# Altium PCB shepherd_pcb_v2.2.PcbDoc (part 2 of 3) (continued)
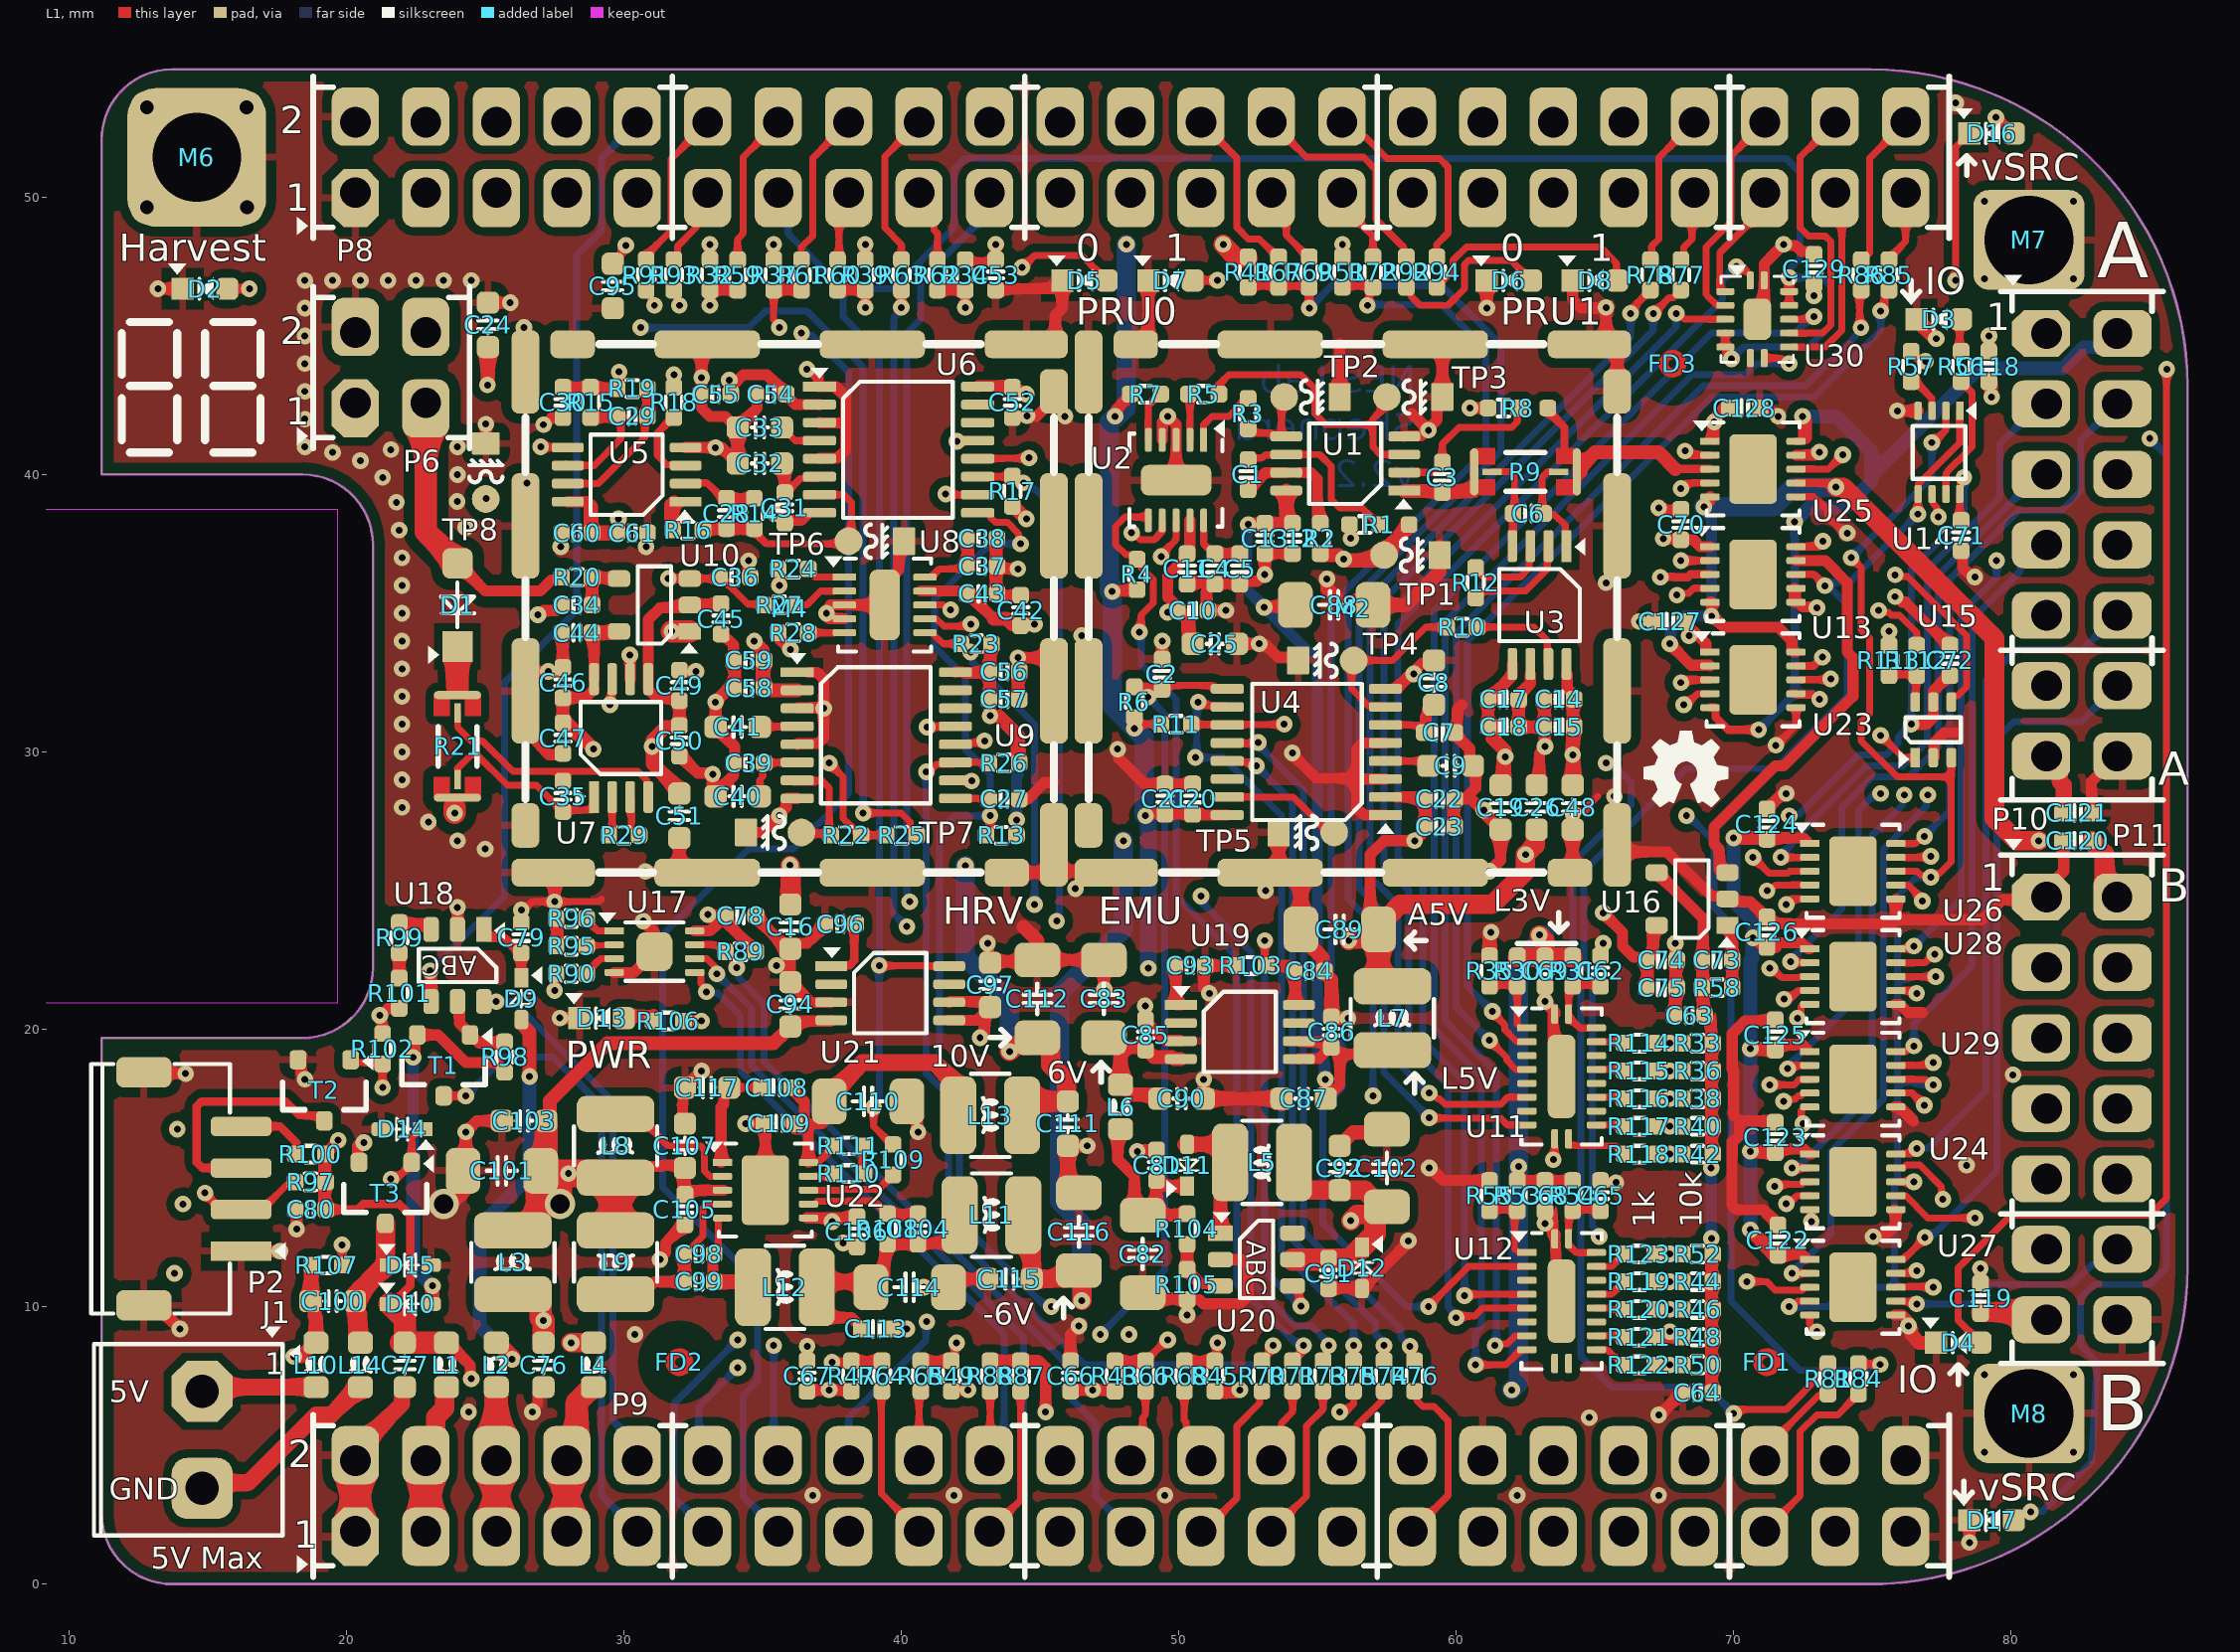
[diagram p0: L1 view]
## Nets (pads, with @x,y where several pads share a name; then routed paths per layer and width w, separated by ;. In a path a pad name is that pad's centre, name@x,y a point inside that pad or via, vN(x,y) a via of type N, cw(c..) or ccw(c..) an arc to the next point about the centre after c; other vN are vias at no path point) (continued)
EEA1_8: R95.2 U17.2 | length 1.1
  L1 w0.2: R95.2@28.6,23 28.625,23.025 29.625,23.025 U17.2@29.65,23.05 U17.2@29.625,23.075
EEA2_8: R90.1 U17.3 | length 1.3
  L1 w0.25: R90.1@28.6,22 29.15,22.55 U17.3@29.65,22.55
EN_Emulator: C2.2 P9.16 R6.2 U4.9 | length 41.3
  L1 w0.25: v1(48.887,31.98) 48.9,31.993 48.9,32.3 ; C2.2@49.4,32.25 49.55,32.4 51.2,32.4 51.325,32.275 U4.9@51.75,32.275
  L1 w0.4: R6.2@48.4,32.3 48.9,32.3 C2.2@49.4,32.3
  L3 w0.25: v1(40.916,9.458) 40.958,9.458 41.3,9.8 42.4,9.8 43.675,8.525 46.689,8.525 47.16,8.996 v1(47.173,8.996)
  L4 w0.25: P9.16@38.1,4.445 38.1,4.845 38.1,6 40.883,8.783 40.883,9.426 v1(40.916,9.458) ; v1(47.173,8.996) 49.5,11.322 49.5,31.367 v1(48.887,31.98)
EN_Power: C84.2 P8.13 R103.2 R109.2 U19.8 U20.4 U21.8 U30.5 U30.6 U30.12 U30.13 | length 122.3
  L1 w0.25: v1(39,17.2) 39,16.5 39.7,15.8 R109.2@39.627,15.873 ; v1(39.2,22.3) 39.212,22.288 41.712,22.288 U21.8@41.725,22.275 ; R103.2@53.1,22.3 v1(53.1,23.2) ; U20.4@54.1,10.75 54.249,10.601 54.333,10.601 54.333,10.092 v1(54.4,10.025) ; U19.8@54.325,20.875 54.425,20.875 U19.8@54.5,20.95 ; U30.5@69.7,45.1 U30.6@69.7,44.6 69.7,44.4 69.9,44.2 69.9,44.157 v1(69.921,44.177) ; U30.12@72,46.2 v1(72,47.1)
  L1 w0.4: R103.2@53.1,22.3 R103.2@53.15,22.3 54.2,22.3 54.2,20.9 54.225,20.875 U19.8@54.325,20.875
  L3 w0.25: v1(39.2,22.3) 44,22.3 44.6,22.9 52.779,22.9 53.079,23.2 v1(53.1,23.2)
  L4 w0.25: P8.13@35.56,50.165 35.914,49.811 35.914,48.686 37.9,46.7 ; v1(39,17.2) 39,17.295 39.2,17.495 v1(39.2,22.3) 39.2,44.4 37.9,45.7 37.9,46.7 ; v1(53.1,23.2) 53.1,11.3 53.909,10.491 53.911,10.491 54.377,10.025 v1(54.4,10.025) ; v1(69.921,44.177) 70.343,44.6 72.7,44.6 73.5,45.4 73.5,46.8 73.2,47.1 v1(72,47.1) ; v1@72.067,47.167 72.067,47.462 72.4,47.795 72.4,50.9 71.9,51.4 42.3,51.4 41.9,51 41.9,48.9 39.7,46.7 37.9,46.7
EN_Recorder: C27.2 P9.14 R13.2 U6.9 U9.9 | length 53.3
  L1 w0.25: U9.9@41.95,28.325 42.775,28.325 42.8,28.3 43.1,28.3 43.2,28.2 v1(43.2,27.7) R13.2@43.2,27.1 ; U6.9@42.75,38.625 43.175,38.625 43.225,38.575 43.225,38.446 43.396,38.275 43.825,38.275 44.233,37.867 44.233,37.567 v1(44.3,37.5)
  L3 w0.25: v1(35.4,8.6) 36.9,10.1 41.034,10.1 41.234,10.3 42.6,10.3 42.9,10 v1(45.4,10)
  L4 w0.25: v1(35.4,8.6) 35.4,4.605 P9.14@35.56,4.445 ; v1(44.3,37.5) 43.2,37.5 41.2,35.5 41.2,33.8 42.3,32.7 42.3,30.1 43.2,29.2 v1(43.2,27.7) 41.929,27.7 41.38,27.151 41.38,18.52 42.1,17.8 42.1,13.1 45.2,10 v1(45.4,10)
GND: C2.1 C4.2 C5.1 C7.1 C8.1 C9.1 C10.1 C11.1 C12.1 C13.1 C14.1 C15.1 C16.1 C17.1 C18.1 C19.1 C20.1 C21.1 C22.1 C23.1 C24.1 C25.1 C26.1 C27.1 C30.2 C31.1 C32.1 C33.1 C36.1 C37.1 C38.1 C39.1 C40.1 C41.1 C42.1 C43.1 C44.1 C45.1 C46.1 C47.1 C48.1 C49.1 C50.1 C51.1 C52.1 C53.1 C54.1 C55.1 C56.1 C57.1 C58.1 C59.1 C60.1 C61.1 C62.1 C63.1 C64.1 C65.1 C66.1 C67.1 C68.1 C69.1 C70.1 C71.1 C72.1 C74.1 C75.1 C76.1 C77.1 C78.1 C79.1 C80.1 C81.1 C82.1 C83.1 C84.1 C85.1 C86.1 C87.1 C88.1 C89.1 C90.1 C91.1 C92.1 C93.1 C94.1 C95.1 C96.1 C97.1 C101.1 C102.1 C103.1 C105.1 C106.2 C107.1 C109.1 C110.1 C111.1 C112.1 C113.1 C114.1 C115.1 C116.1 C117.1 C118.1 C119.1 C120.1 C121.1 C122.1 C123.1 C124.1 C125.1 C126.1 C127.1 C128.1 C129.2 D2.1 D3.1 D4.1 D5.1 D6.1 D7.1 D8.1 D12.2 D13.1 D14.2 D15.2 D17.1 M2.1 M4.1 M6.1 M7.1 M8.1 P2.1 P2.5 P6.2 P8.1 P8.2 P9.1 P9.2 P9.34 P9.43 P9.44 P9.45 P9.46 P10.1 P10.14 P11.1 P11.14 R35.2 R55.2 R95.1 R96.1 R101.1 R102.1 R103.1 R105.1 T2.2 T3.2 TP1.2 TP2.2 TP3.2 TP4.2 TP5.2 TP6.2 TP7.2 TP8.2 U1.4 U2.3 U2.4 U2.11 U3.6 U4.1 U4.3 U4.5 U4.8 U5.4 U6.1 U6.3 U6.5 U6.8 U7.6 U8.3 U8.4 U8.11 U9.1 U9.3 U9.5 U9.8 U11.1 U11.21 U12.1 U12.21 U13.6 U13.7 U14.4 U15.2 U16.2 U17.4 U17.9 U18.2 U19.3 U20.2 U21.3 U22.11 U23.6 U24.6 U25.6 U26.6 U27.6 U28.6 U29.6 U30.7 | length 340.8
  L1 w0.25: v1(26.3,24.3) 26.395,24.3 26.695,24.6 v1(27.5,24.6) ; v1@27.525,24.575 v1(27.5,24.6) ; 29.2,24.7 29.1,24.6 v1(27.5,24.6) ; v1(64.2,27.8) 64.267,27.867 64.654,27.867 64.8,28.013 64.8,28.1 65.1,28.4 ; v1(71.525,30.238) 72.25,30.963 U23.6@72.25,31.6 ; U25.6@72.25,39.2 72.9,39.2 73.4,38.7 73.4,38.445 73.546,38.298 73.592,38.298 73.998,37.892 v1(74.093,37.892)
  L1 w0.4: P2.5@12.7,10.05 13.15,10.05 v1(14,9.2) ; P2.5@12.7,18.45 12.725,18.425 14.175,18.425 v1(14.2,18.4) ; v2(12.805,49.635) M6.1@14.605,51.435 ; v2(12.805,53.235) 12.865,53.235 14.605,51.495 M6.1@14.605,51.435 ; v1(13.2,46.7) D2.1@14.1,46.7 ; P2.1@16.2,12 v1(17.6,12) ; v2(16.405,53.235) M6.1@14.605,51.435 ; v2(16.41,49.635) 16.405,49.635 M6.1@14.605,51.435 ; v1(18.2,12.8) C80.1@18.2,13.5 ; T2.2@18.4,19.054 18.396,19.05 18.35,19.05 18.25,18.95 T2.2@18.25,18.9 18.35,18.8 18.35,18.45 18.462,18.338 18.462,18.238 v1(18.5,18.2) ; T3.2@20.45,15.2 20.4,15.25 20.4,15.8 20.519,15.919 v1(20.626,15.919) ; D14.2@21.2,16.45 D14.2@21.25,16.4 ; R102.1@21.3,19.8 21.3,20.2 21.235,20.265 21.235,20.465 v1(21.196,20.504) 21.251,20.504 21.497,20.75 21.85,20.75 R101.1@21.9,20.8 ; U18.2@24,23.6 v1(24,24.4) ; C101.1@24.2,14.9 24.2,15.161 24.3,15.261 v1(24.3,16.3) 24.7,16.7 C103.1@25.6,16.7 ; TP8.2@25.021,41.121 v1(25.021,41.821) ; C24.1@25.1,46.2 v1(25.9,46.2) ; C79.1@26.3,23.8 C79.1@26.3,23.85 v1(26.3,24.3) ; v1(26.7,6.2) 26.7,6.3 26.9,6.5 26.9,6.9 C76.1@27.1,7.1 ; v1(27.1,41.8) 27.154,41.8 27.404,42.05 27.75,42.05 C30.2@27.8,42.1 ; M4.1@27.45,25.65 27.5,25.6 v1(27.5,24.6) ; v1@27.525,24.575 27.525,24.075 27.6,24 R95.1@27.6,23 ; v1(27.693,20.407) 27.7,20.4 D13.1@28.4,20.4 ; v1(27.725,37.4) v1@27.762,37.362 ; C47.1@27.8,29.9 27.3,29.9 27,30.2 27,30.223 26.45,30.773 M4.1@26.45,32.2 26.45,32.604 26.746,32.9 v1(27.273,32.9) 27.8,32.9 C44.1@27.8,34.3 ; v1@27.8,37.4 C60.1@27.8,37.9 ; U17.4@29.65,22.05 30.35,22.05 U17.9@31.1,22.8 31.1,23.5 v1(30.7,23.9) ; v1(30.217,33.494) 30.221,33.49 30.221,32.629 U7.6@30.225,32.625 ; v1(30.774,25.694) 30.817,25.65 M4.1@32.296,25.65 ; v1(30.8,37.4) C61.1@30.8,37.9 ; v1(31.3,11.7) 31.3,11.754 31.5,11.954 31.5,12.3 32.05,12.85 32.1,12.85 C105.1@32.2,12.95 C105.1@32.2,13 ; C51.1@32,26.9 32,25.946 M4.1@32.296,25.65 ; C50.1@32,29.9 32.662,29.238 33.162,29.238 v1(33.2,29.2) 33.2,28.5 C40.1@33.3,28.4 ; C49.1@32,32.9 v1(32.6,32.9) ; C107.1@32.1,16.6 C107.1@32.107,16.607 ; 32.1,17.273 32.131,17.303 C117.1@32.131,17.931 ; C107.1@32.107,16.707 32.107,17.259 32.115,17.267 ; C117.1@32.2,17.9 v1(32.8,18.5) ; U5.4@32.225,40.975 v1(33.3,40.975) 33.525,40.975 C32.1@34.1,40.4 C33.1@34.1,41.7 ; M4.1@33,25.65 M4.1@32.296,25.65 ; M4.1@33,44.7 32.8,44.5 v1(32.8,43.5) 32.8,42.9 32.8,42.4 33.1,42.1 33.659,42.1 34.059,41.7 C33.1@34.1,41.7 ; C40.1@33.5,28.7 33.962,29.162 33.962,29.562 34,29.6 34,30.2 C41.1@33.3,30.9 33.3,31.7 v1(33.3,31.8) 33.3,31.816 33.734,32.25 33.95,32.25 34,32.3 C59.1@34,33.3 ; C45.1@33.5,34.3 33.95,33.85 33.95,33.35 C59.1@34,33.3 ; C59.1@34.05,33.35 C59.1@34,33.3 ; v1@34.387,16.6 C109.1@35.05,16.6 ; TP7.2@34.4,27.1 35,27.1 v1(35.6,27.7) 35.6,27.754 35.85,28.004 35.85,28.3 35.875,28.325 U9.8@36.21,28.325 ; v1(34.493,36.893) 34.497,36.89 34.497,36.303 C36.1@34.5,36.3 ; C78.1@34.7,24.1 35.7,23.1 35.8,23.1 C16.1@36,22.9 ; C54.1@34.8,42.9 34.8,42.4 C33.1@34.1,41.7 ; U22.11@35.1,14.2 C109.1@35.1,16.55 ; v1(35.424,38.6) 35.45,38.6 35.75,38.3 35.8,38.3 35.85,38.35 36.4,38.35 U6.8@36.65,38.6 ; v1(35.5,22.3) 36,22.3 ; U9.8@36.2,28.315 U9.8@36.21,28.325 ; U9.8@36.25,28.325 U9.8@36.21,28.325 ; U9.5@36.25,30.275 36.275,30.3 37,30.3 37.2,30.5 v1(37.2,31.569) 37.2,32.638 36.966,32.873 U9.1@36.65,32.873 ; U9.3@36.25,31.575 36.275,31.6 v1@37.1,31.6 ; C67.1@36.6,8 36.6,8.572 v1(36.602,8.575) ; v1(36.6,43.8) 36.7,43.8 37,43.5 37,43.185 37.01,43.175 U6.1@37.05,43.175 37.06,43.165 37.639,43.165 38,42.804 38,41.852 ; U6.5@37.05,40.575 37.06,40.585 37.685,40.585 38,40.9 38,41.852 ; U6.3@37.05,41.875 37.06,41.865 37.987,41.865 38,41.852 ; C96.1@37.3,23.8 36.6,23.1 36.2,23.1 C16.1@36,22.9 ; v1(37.3,35) 37.3,34.9 37.4,34.8 U8.4@37.95,34.8 ; 37.434,35.3 U8.3@37.95,35.3 U8.11@39.4,35.3 39.4,36.066 39.9,36.566 39.9,37.4 TP6.2@40.1,37.6 ; U21.3@37.475,20.975 36.725,20.975 C94.1@36,21.7 36,22.3 ; v1(37.9,12.3) 37.95,12.25 38.35,12.25 C106.2@38.4,12.2 ; C113.1@39.6,9.2 v1@40.199,9.2 ; C110.1@40.2,17.4 40.556,17.044 40.556,16.399 40.6,16.354 v1(40.6,16.3) ; v1(40.8,10.7) C114.1@41.7,10.7 ; C114.1@41.8,10.7 C114.1@42.125,11.025 ; C114.1@42.193,11.038 42.231,11 C115.1@43.1,11 ; v1(43.106,23.1) 43.145,23.062 43.145,22.6 43.106,22.562 43.038,22.562 C97.1@43.2,22.4 43.25,22.45 44.85,22.45 C112.1@44.9,22.5 C83.1@47.3,22.5 47.3,21.452 v1(47.317,21.435) ; C53.1@43.35,46.65 43.4,46.7 45.5,46.7 D5.1@45.8,47 45.8,46 45.55,45.75 45.55,44.996 45.254,44.7 M4.1@44.5,44.7 ; C37.1@43.4,36.6 v1(44.2,36.6) ; C38.1@43.4,37.6 43.4,35.6 C42.1@44.25,35.6 ; M4.1@43.8,25.65 45.204,25.65 45.5,25.946 M4.1@45.5,25.996 ; C52.1@44,42.1 44.513,42.1 v1(44.531,42.118) ; C27.1@44.2,28.3 C27.1@44.25,28.3 44.561,28.3 45.161,28.9 45.5,28.9 ; C57.1@44.2,31.9 44.2,32.9 v1(44.2,33.4) 45.204,33.4 45.5,33.104 M4.1@45.5,32.2 ; v1@44.531,42.1 44.873,42.1 45.5,42.727 M4.1@45.5,43.1 ; M4.1@45.383,38.058 M4.1@45.5,38.175 ; M4.1@45.5,27.623 M4.1@45.5,26.65 M4.1@45.5,25.996 ; C66.1@46.1,7.9 46.1,9 v1(46.4,9.3) ; C116.1@46.2,14.1 46.37,14.1 C116.1@46.4,14.1 C116.1@46.7,14.4 ; M2.1@47.75,25.65 47.7,25.7 45.796,25.7 M4.1@45.5,25.996 ; v1(47.8,30.1) 47.838,30.062 47.838,29.762 48.75,28.85 49.4,28.85 49.45,28.8 49.5,28.8 C20.1@50.5,28.8 ; M2.1@48.35,44.7 48.604,44.7 48.9,44.996 D7.1@48.9,47 ; C82.1@48.6,10.6 48.9,10.3 R105.1@50.3,10.3 ; v1(48.789,20.842) 48.8,20.831 48.8,20.3 49.2,19.9 49.5,19.6 50.05,19.6 U19.3@50.075,19.575 ; C2.1@49.4,33.3 v1(49.4,34) ; U2.4@49.4,41.25 49.4,41.9 v1(49.6,42.1) 49.9,41.8 U2.3@49.9,41.25 U2.11@49.9,39.8 ; v1(50.3,9.7) R105.1@50.3,10.3 ; C11.1@50.3,36.1 50.35,36.15 52.823,36.15 53.073,36.4 v1(53.1,36.4) C13.1@53.1,37.1 ; C90.1@50.8,17.6 C90.1@50.9,17.6 ; C90.1@50.9,17.5 C90.1@50.9,17.6 ; v1(50.9,18.2) C90.1@50.9,17.6 ; C90.1@51,17.494 51,17.5 C90.1@50.9,17.6 ; v1(51.1,21.3) 50.9,21.5 50.9,22.3 R103.1@52.1,22.3 ; C4.2@51.3,36.1 51,35.8 51,35.1 v1(51.7,35.1) ; U20.2@51.5,11.7 52.266,11.7 52.5,11.466 52.5,10.4 52.2,10.1 50.9,10.1 50.75,10.25 50.35,10.25 R105.1@50.3,10.3 ; C25.1@52.1,33.9 v1(52.9,33.9) 52.938,33.862 53.138,33.862 53.584,33.416 54.216,33.416 TP4.2@54.3,33.5 ; C13.1@53.1,37.2 C12.1@54.1,37.2 ; M2.1@53.2,25.65 M2.1@53.3,25.65 53.304,25.65 53.6,25.946 TP5.2@53.6,26.9 ; v1(54.093,29.961) 54.093,29.907 54.955,29.045 56.4,29.045 ; C91.1@55.4,10.7 56.55,10.7 D12.2@56.6,10.65 58.271,12.321 v1(58.271,12.375) ; TP2.2@55.8,42.8 55.8,44.7 ; U4.1@57.45,27.725 56.675,27.725 56.4,28 56.4,29.045 ; U4.3@57.45,29.025 56.42,29.025 56.4,29.045 ; U4.5@57.45,30.325 56.634,30.325 56.4,30.091 56.4,29.045 ; U4.8@57.85,32.3 58.324,32.774 58.437,32.774 v1(58.475,32.813) ; U1.4@58.125,41.375 58.15,41.4 58.746,41.4 58.946,41.6 v1(59,41.6) ; v1@58.387,32.813 58.775,33.2 58.9,33.2 C8.1@59.1,33.4 ; 58.4,42.2 v1(59,41.6) ; v1(59.025,15) 59.079,15 59.529,14.55 61.15,14.55 R55.2@61.2,14.5 ; M2.1@59.25,25.65 59.275,25.675 61.175,25.675 61.6,26.1 C19.1@61.6,27.2 61.038,27.762 61.038,27.862 v1(61,27.9) 60.946,27.9 60.546,28.3 59.9,28.3 C23.1@59.9,27.4 ; M2.1@59.25,44.7 59.5,44.45 TP3.2@59.5,42.8 59.3,42.6 59.3,41.954 59,41.654 v1(59,41.6) ; C7.1@59.9,30.7 59.95,30.65 60.484,30.116 60.484,29.7 60.584,29.6 C9.1@60.6,29.6 ; C7.1@59.95,30.7 60.05,30.8 60.05,31.55 60.2,31.7 ; 60.4,28.4 60.7,28.7 C9.1@60.7,29.6 ; D6.1@61.1,47 61.103,46.997 61.103,46.01 v1(61.107,46.007) ; C18.1@62.25,30.9 62.25,32 62.35,32.1 62.35,32.15 62.675,32.475 U3.6@62.675,32.8 ; C18.1@62.3,30.9 62.301,30.901 C15.1@63.199,30.901 ; C26.1@63,28.8 63,29.946 63.2,30.146 v1(63.2,30.2) 63.2,31 C14.1@63.2,31.9 ; v1(63.2,13) 63.25,13 C68.1@63.475,13.225 ; C68.1@63.2,13.5 C68.1@63.475,13.225 ; C69.1@63.2,21.6 63.2,20.975 63.55,20.625 U11.1@63.55,20.55 63.5,20.5 63.5,19.627 63.8,19.327 U11.21@63.8,18.3 ; U12.1@63.55,12.45 63.55,12.55 63.575,12.575 63.575,12.6 63.475,12.6 C68.1@63.475,13.225 ; U12.1@63.575,12.3 63.575,11.992 63.6,11.967 63.6,10.4 U12.21@63.8,10.2 ; M2.1@64.1,25.65 64.2,25.75 C48.1@64.2,27.2 v1(64.2,27.8) ; D8.1@64.2,47 64.2,46.3 64.5,46 65.4,46 65.4,46.049 65.4,44.996 M2.1@65.104,44.7 ; M2.1@64.8,44.7 M2.1@65.104,44.7 ; C65.1@65.2,14.5 65.212,14.488 65.745,14.488 v1(65.756,14.477) ; M2.1@65.8,26.65 66.05,26.4 67.6,26.4 69.2,24.8 69.575,24.8 69.775,24.6 70.6,24.6 71.4,23.8 75.7,23.8 75.85,23.95 ; M2.1@65.8,43 65.8,44.404 65.504,44.7 M2.1@65.104,44.7 ; v1(67.3,6.1) 67.35,6.1 C64.1@68.15,6.9 C64.1@68.2,6.9 ; v1(67.3,38.8) 67.4,38.7 C70.1@68.1,38.7 ; C63.1@67.9,20.5 v1(67.9,23.1) ; C128.1@70.925,42.375 71,42.3 71.346,42.3 71.546,42.1 v1(71.6,42.1) ; C124.1@71.25,27.95 71.25,28 71.712,28.462 71.862,28.462 v1(71.9,28.5) ; C125.1@71.5,20.3 70.4,20.3 69.95,19.85 69.95,18.55 70,18.5 70,16.9 70.2,16.7 ; C122.1@71.6,12.8 71.55,12.85 71.55,13.007 71.057,13.5 70.1,13.5 69.934,13.666 69.934,15.335 69.95,15.35 69.95,15.925 70.2,16.175 70.2,16.7 ; C123.1@71.6,16.7 70.2,16.7 ; U13.7@72.2,35.9 72.2,35.4 U13.6@72.25,35.4 72.325,35.4 72.483,35.242 72.487,35.238 72.962,35.238 v1(73,35.2) ; v1(72.9,46.45) C129.2@72.9,46.85 ; v1(75.025,12.524) 75.062,12.561 75.461,12.561 75.834,12.934 75.834,13.466 U24.6@75.8,13.5 ; U27.6@75.8,9.7 76.081,9.7 76.331,9.45 76.331,9.331 v1(76.3,9.3) ; U29.6@75.8,17.2 75.975,17.2 76.483,16.692 ; U28.6@75.8,20.9 76,20.9 76.3,20.6 76.8,20.6 ; v1(75.825,35.6) 75.879,35.6 76.079,35.4 76.2,35.4 C72.1@77.8,33.8 ; U26.6@75.85,24.7 75.85,23.95 ; v1(75.9,42.3) U14.4@76.65,42.3 ; U15.2@77.196,29.797 77.221,29.822 77.221,30.321 77.6,30.7 78,30.7 ; C71.1@78.2,37.3 78.25,37.25 78.25,36.65 78.593,36.307 v1(78.693,36.307) ; v1(78.5,1.5) D17.1@78.5,2.3 ; v1(78.893,11.377) 78.9,11.37 C119.1@78.9,10.8 ; C118.1@79.2,44.4 v1(79.2,45) ; C120.1@81.9,26.8 81.9,25.696 81.28,25.076 P11.1@81.28,24.768 81.176,24.664 79.664,24.664 78.95,23.95 75.85,23.95 ; C121.1@82.9,27.8 82.9,28.928 P10.14@83.82,29.848 ; 36,22.3 C16.1@36,22.9
  L1 w0.5: 44.4,23.7 44.9,23.2 C112.1@44.9,22.5 ; C116.1@46.37,14.1 46,14.47 C111.1@46,15.8 v1(46.7,15.8) ; v1(48.5,15.6) C81.1@49.2,15.6 ; C90.1@50.9,17.5 51,17.5 C87.1@53.7,17.5 ; M2.1@53.304,25.65 54.15,25.65 54.4,25.4 C89.1@54.4,23.6 54.4,23.366 55.2,22.566 55.2,22.1 55.5,21.8 55.5,20.4 v1(56.1,20.4) ; C87.1@53.7,17.3 C87.1@53.7,17.45 ; v1(55.341,36.232) 55.36,36.213 55.36,35.889 55.85,35.4 56.9,35.4 C88.1@57,35.3 58.2,35.3 59.4,36.5 TP1.2@59.4,37.4 ; C92.1@55.8,15.8 56.286,16.286 57.386,16.286 C102.1@57.5,16.4 ; R35.2@61.2,22.6 61.2,23.4 61.303,23.503 v1(61.254,23.503) ; C62.1@65.2,22.6 65.25,22.65 65.25,23.023 65.3,23.073 v1(65.3,23.1) ; v1(76.3,9.3) 76.3,9.273 76.4,9.173 76.4,8.993 76.693,8.7 D4.1@77.3,8.7 ; D3.1@76.6,45.6 v1(77.3,44.9)
  L1 w0.6: P9.2@20.32,4.445 20.32,4.82 22,6.5 22,7 22.081,7.081 C77.1@22.1,7.081
  L1 w0.7: v3(23.5,13.7) 23.608,13.7 24.018,14.11 24.073,14.11 24.073,14.773 C101.1@24.2,14.9
  L1 w1: P9.1@20.32,1.905 P9.2@20.32,4.445
  L3 w0.4: v1(33.3,40.975) v1@33.3,41 ; v1@37.198,35.072 37.228,35.072 v1(37.3,35) ; v1@75,12.6 75,12.549 v1(75.025,12.524)
  L4 w0.4: v1(79.045,4.75) 79.245,4.75 M8.1@80.645,6.15 ; v1(79.045,7.55) 80.445,6.15 M8.1@80.645,6.15 ; v1(79.045,47.06) 79.245,47.06 M7.1@80.7,48.2 ; v1(79.045,49.86) 80.445,48.46 M7.1@80.7,48.2 ; v1(82.245,4.75) 82.045,4.75 M8.1@80.645,6.15 ; v1(82.245,7.55) 80.845,6.15 M8.1@80.645,6.15 ; v1(82.245,47.06) 82.045,47.06 M7.1@80.7,48.2 ; v1(82.245,49.86) 82.045,49.86 M7.1@80.7,48.2
  other v1: 36.8,3.2 41.9,3.2 49.5,3.2 62.2,3.2 67.3,3.2 64.8,6 24.4,6.2 30.4,9 48.2,9 40.2,9.2 78.4,15.1 34.387,16.6 80.071,18.359 63.2,21 53.125,25 46.275,25.075 61.2,25.7 25,26.5 24,26.8 22.95,27.475 22,28 65.7,28.4 22,29 22,30 22,31 22,32 22,33 22,34 46.5,34.2 66.6,34.7 22,35 22,36 65.4,36.1 22,37 21.9,38 24.3,38.1 21.8,39 23.987,39.03 26.5,39.7 21.3,39.9 24,40 20.5,40.5 19.5,40.8 21.6,40.9 18.5,41 24,41 18.5,42 45.9,42.1 18.5,43 18.5,44 18.5,45 26.4,45.3 18.5,46 65.4,46.025 18.5,47 19.5,47 20.5,47 21.5,47 22.5,47 23.5,47 24.5,47 78,53.4
GND_Ext_2: J1.2 L14.1 | length 7.2
  L1 w0.6: J1.2@14.8,3.45 14.999,3.649 16.449,3.649 18.9,6.1 19.45,6.1 20.45,7.1 L14.1@20.5,7.1
GPIO0: R33.1 R114.2 U26.3 | length 11.5
  L1 w0.25: v1(67.7,19.5) R33.1@68.15,19.5 ; v1(70.7,26.2) 71.275,25.625 71.938,25.625 72.013,25.7 U26.3@72.75,25.7 U26.3@72.8,25.7
  L1 w0.4: R114.2@67.15,19.5 v1(67.7,19.5)
  L3 w0.25: v1(67.7,19.5) 67.767,19.567 68.067,19.567 68.5,20 68.5,20.8 68.8,21.1 68.8,24.3 v1(70.7,26.2)
GPIO1: R36.1 R115.2 U26.9 | length 17.7
  L1 w0.25: v1(67.7,18.5) R36.1@68.1,18.5 ; U26.9@75.8,26.2 U26.9@75.85,26.2 77.072,26.2 v1(77.108,26.236)
  L1 w0.4: R115.2@67.15,18.5 v1(67.7,18.5) R36.1@68.15,18.5
  L3 w0.25: v1(67.7,18.5) 67.767,18.567 68.067,18.567 69,19.5 69,20.6 69.3,20.9 69.3,23.9 71.025,25.625 76.404,25.625 77.014,26.236 v1(77.108,26.236)
GPIO2: R38.1 R116.2 U28.3 | length 8.9
  L1 w0.25: v1(67.7,17.5) R38.1@68.125,17.5 ; v1(71.3,22.2) 71.367,22.133 71.467,22.133 71.741,21.859 72.348,21.859 72.388,21.9 72.538,21.9 U28.3@72.8,21.9
  L1 w0.4: R116.2@67.15,17.5 v1(67.7,17.5)
  L3 w0.25: v1(67.7,17.5) 67.767,17.567 67.967,17.567 69.5,19.1 69.5,20.4 v1(71.3,22.2)
GPIO3: R40.1 R117.2 U28.9 | length 15.4
  L1 w0.25: v1(67.7,16.5) R40.1@68.118,16.5 ; U28.9@75.8,22.4 76.892,22.4 77.192,22.7 v1(77.253,22.7)
  L1 w0.4: R117.2@67.15,16.5 v1(67.7,16.5)
  L3 w0.25: v1(67.7,16.5) 69.9,18.7 69.9,19.969 70.738,20.806 70.738,20.824 71.575,21.662 75.262,21.662 75.95,22.35 76.808,22.35 77.158,22.7 v1(77.253,22.7)
GPIO4: R42.1 R118.2 U29.9 | length 14.1
  L1 w0.25: v1(67.7,15.5) R42.1@68.15,15.5 ; U29.9@75.8,18.7 U29.9@75.85,18.7 76.112,18.7 77.005,18.7 77.105,18.8 v1(77.2,18.8)
  L1 w0.4: R118.2@67.15,15.5 v1(67.7,15.5)
  L3 w0.25: v1(67.7,15.5) 71.525,19.325 72.375,19.325 73.3,18.4 76.532,18.4 76.865,18.733 77.133,18.733 v1(77.2,18.8)
L3V3: C20.2 C21.2 C52.2 C53.2 C56.2 C57.2 C66.2 C67.2 C68.2 C69.2 C71.2 C72.2 C95.2 C97.2 C119.2 C121.2 C129.1 D16.2 P10.13 P11.13 R4.2 R6.1 R7.2 R11.1 R13.1 R17.2 R23.2 R26.2 R28.2 R30.2 R31.2 R32.2 R34.2 R37.2 R39.2 R41.2 R43.2 R45.2 R47.2 R49.2 R51.2 R53.2 R54.2 R106.2 U4.16 U6.16 U9.16 U14.8 U15.5 U21.5 U21.6 U30.14 U30.15 | length 295.5
  L1 w0.25: C95.2@29.6,47.6 29.6,47.641 30,48.04 30,48.2 v1(30.067,48.267) ; R34.2@42.3,47.7 43.4,47.7 v1(43.4,48.3) ; R13.1@44.1,27 44.15,27.05 v1(44.15,27.55) ; v1(48.4,30.85) 48.495,30.85 48.645,31 R11.1@49.4,31 ; R51.2@55.9,47.8 v1(55.9,48.3) ; C71.2@78.2,38.3 78.15,38.35 U14.8@78.15,39.3 78.16,39.31 U14.8@78.16,39.56 ; U14.8@78.2,39.6 U14.8@78.16,39.56 ; v1(78.3,39.9) 78.16,39.76 U14.8@78.16,39.56
  L1 w0.3: v1(79.452,52.876) 79.497,52.876 80.073,52.3 D16.2@80.1,52.3
  L1 w0.4: R106.2@32.1,20.35 32.1,20.3 v1(32.793,20.3) ; R32.2@33.1,47.7 v1(33.1,48.3) ; R37.2@35.4,47.7 v1(35.4,48.3) ; R28.2@35.6,34.3 35.65,34.25 35.65,34.106 35.65,34.05 v1(36,33.7) ; C67.2@36.6,7 v1(37.4,7) R47.2@38.2,7 ; R39.2@38.7,47.7 v1(38.7,48.3) ; U21.5@41.725,20.325 42.725,20.325 C97.2@43,20.6 ; U21.6@41.725,20.975 41.75,21 42.4,21 43,21 C97.2@43.2,20.8 C97.2@43,20.6 ; R49.2@41.8,7 v1(42.4,7) ; U9.16@41.95,32.875 41.962,32.888 42.193,32.888 42.231,32.85 43.15,32.85 C56.2@43.188,32.888 ; R34.2@42.3,47.7 R34.2@42.313,47.712 ; U6.16@42.75,43.175 42.775,43.2 C52.2@43.9,43.2 ; v1(42.837,19.697) 42.837,19.751 43,19.914 C97.2@43,20.6 ; v1(43.2,31.3) 43.2,32.875 C56.2@43.188,32.888 ; R23.2@43.2,33.9 43.2,32.9 C56.2@43.188,32.888 ; C52.2@44,43.1 44.05,43.05 44.296,43.05 44.446,42.9 v1(44.5,42.9) ; C66.2@46.1,7 v1(46.9,7) R43.2@47.7,7 ; v1(47.602,35.783) 47.635,35.816 48.416,35.816 R4.2@48.5,35.9 ; v1(47.7,42.1) 47.738,42.138 47.738,42.338 R7.2@48.3,42.9 ; v1(48.8,27.7) 48.8,27.8 50.8,27.8 50.875,27.725 U4.16@51.75,27.725 ; R45.2@51.3,6.9 52.1,6.9 v1(52.2,7) ; v1(62.25,15.05) 62.25,14.55 62.2,14.5 R54.2@64.2,14.5 ; U30.15@70.85,45.8 71.1,46.05 71.1,47.6 71.5,48 v1(71.8,48.3) ; v1@71.762,48.262 72.238,48.262 72.45,48.05 72.8,48.05 C129.1@72.8,47.85 ; v1(76.4,31) 76.967,31 77.201,31.234 77.201,31.792 U15.5@77.196,31.797 ; U15.5@77.2,31.947 77.2,32.2 77.65,32.65 77.7,32.65 C72.2@77.8,32.75 C72.2@77.8,32.8 ; v1(48.4,30.85) 48.4,31.3 v1(48.4,30.85)
  L1 w0.5: v1(43.2,31.3) 43.219,31.281 43.519,31.281 44.2,30.6 R26.2@44.2,29.6 ; R17.2@44,38.9 44.493,38.407 v1(44.507,38.407)
  L1 w0.6: P10.13@81.28,29.848 81.753,29.375 81.753,28.947 81.9,28.8 C121.2@81.9,27.8
  L1 w0.7: v1(51.6,48.3) 52.1,47.8 R41.2@52.5,47.8 ; R30.2@62.2,22.6 C69.2@63.2,22.6 ; v1(63,23.4) 63.2,23.2 C69.2@63.2,22.6 ; R31.2@64.2,22.6 C69.2@63.2,22.6 ; C119.2@78.9,9.8 81.008,9.8 P11.13@81.28,9.528
  L3 w0.4: v1(32.793,20.3) 42.234,20.3 v1(42.837,19.697) ; 77.465,48.3 77.9,48.735 77.9,51.324 v1(79.452,52.876)
  L3 w0.5: v1@30.1,48.3 v1(33.1,48.3) ; v1(36,33.7) 37.9,33.7 40.3,36.1 40.3,40.6 42.6,42.9 v1(44.5,42.9) 46.2,42.9 47,42.1 v1(47.7,42.1) ; v1@43.227,31.3 47.957,31.3 48.4,30.857 v1(48.4,30.85) ; v1(44.507,38.407) 45.369,37.544 45.369,37.431 46.798,36.002 47.583,36.002 v1@47.602,35.983
  L3 w0.6: v1(42.837,19.697) 45.34,22.2 v1(48.9,22.2) 53.8,22.2 54.3,21.7 57.5,21.7 58,22.2 62,22.2 63.2,23.4 63.2,23.392 65.808,26 68,26 69.7,27.7 v1(72,27.7) 78,27.7 79.837,29.537 80.969,29.537 P10.13@81.28,29.848
  L3 w0.7: v1(33.1,48.3) v1(35.4,48.3) v1(38.7,48.3) 51.575,48.3 51.6,48.325 v1@55.9,48.325 ; v1(37.4,7) v1(42.4,7) v1(46.9,7) v1(52.2,7) v1(62,7) 75.5,7 78.3,9.8 81.008,9.8 P11.13@81.28,9.528 ; v1(55.9,48.3) v1(71.8,48.3) 77.465,48.3
  L4 w0.25: v1(72,27.7) 72.067,27.767 72.367,27.767 74.5,29.9 75.5,29.9 75.917,30.317 75.917,30.517 v1(76.4,31) 76.4,36.6 78.3,38.5 v1(78.3,39.9)
  L4 w0.4: v1(43.2,31.3) 43.238,31.262 43.538,31.262 44.2,30.6 44.2,29.127 44.15,29.077 v1(44.15,27.55)
  L4 w0.6: v1(48.8,27.7) 48.9,27.6 v1(48.9,22.2)
  L4 w0.7: v1@47.5,35.783 47.5,35.881 47.602,35.983 47.5,36.085 47.5,41.9 v1(47.7,42.1) ; v1(47.602,35.783) 47.602,31.648 48.746,30.504 48.746,27.754 v1(48.8,27.7) ; v1@47.75,42.05 48.1,42.4 48.1,48.288 v1(48.112,48.3) ; v1(62,7) 62.25,7.25 62.25,22.442 v1@63.192,23.385
L5V: C12.2 C13.2 C74.2 C75.2 C86.2 C87.2 C88.2 C122.2 C123.2 C124.2 C125.2 C126.2 L7.1 U1.8 U16.5 U19.5 U19.6 U24.1 U26.1 U27.1 U28.1 U29.1 | length 82.7
  L1 w0.4: v1(53.079,35.214) 53.118,35.252 54.152,35.252 C88.2@54.2,35.3 ; U19.5@54.325,18.925 54.341,18.941 55.041,18.941 C86.2@55.5,19.4 ; U19.6@54.325,19.575 54.35,19.55 55.35,19.55 C86.2@55.5,19.4 ; v1(55.282,18.199) 55.3,18.181 C87.2@55.3,17.5 55.8,18 55.8,19.1 ; L7.1@57.7,19.65 56.882,19.65 56.332,19.1 56.2,19.1 55.8,19.1 ; v1(65.3,24.2) 66,23.5 66,22.994 66.394,22.6 66.8,22.6 66.85,22.55 66.9,22.55 67.1,22.75 67.1,23.65 67.2,23.75 U16.5@67.225,23.75 ; C75.2@66.9,21.5 C74.2@66.9,22.5 ; C124.2@71.4,26.9 72.525,26.9 U26.1@72.65,26.775 ; C125.2@71.5,19.3 71.65,19.45 72.475,19.45 U29.1@72.65,19.275 ; C126.2@71.5,23 71.625,23.125 72.45,23.125 72.675,22.9 U28.1@72.75,22.9 ; C122.2@71.6,11.9 71.65,11.9 72.45,11.9 U27.1@72.6,11.75 ; C123.2@71.6,15.65 71.65,15.7 72.525,15.7 72.725,15.5 U24.1@72.8,15.5 ; C86.2@55.5,19.4 55.8,19.1
  L1 w0.5: v1(52.5,38.2) 53.1,38.2 54.1,38.2 53.875,38.425 U1.8@53.875,39.425 ; v1(70,26.9) C124.2@71.4,26.9 ; v1(70.6,12.774) 70.6,12.754 71.48,11.874 C122.2@71.6,11.874 ; v1(70.6,15.6) C123.2@71.6,15.6 ; v1(70.6,19.3) C125.2@71.6,19.3 ; v1(70.7,23.3) 70.719,23.281 70.829,23.281 71.11,23 71.2,23 C126.2@71.5,23
  L3 w0.6: v1(55.282,18.199) 58.483,21.4 62.5,21.4 v1(65.3,24.2) 66.3,25.2 68.3,25.2 v1(70,26.9)
  L4 w0.4: v1@52.5,38.1 52.5,38.046 52.45,37.996 52.45,35.857 53.079,35.228 v1@53.079,35.221 ; v1(53.079,35.214) v1@53.079,35.221 ; v1(55.282,18.199) 55.244,18.238 55.244,18.856 55,19.1 55,33.3 v1@53.079,35.221
  L4 w0.5: v1(70,26.9) 70,24.6 70.7,23.9 v1(70.7,23.3) 70.681,23.281 70.681,22.571 70.6,22.49 70.6,19.338 v1@70.619,19.319 ; v1@70.6,12.7 v1(70.6,19.3)
LT_CAP_2: C108.1 C117.2 U22.1 | length 4.3
  L1 w0.25: U22.1@33.5,15.2 U22.1@33.6,15.2 ; C117.2@33.8,17.9 35,17.9 C108.1@35.05,17.95 ; C117.2@33.85,18.05 C117.2@33.9,18
  L1 w0.4: U22.1@33.5,15.2 33.5,17.2 33.6,17.3 33.6,17.7 C117.2@33.8,17.9
LT_DN1_2: C98.2 C99.1 L12.1 U22.5 | length 4.2
  L1 w0.25: C98.2@33.25,11.9 33.4,12.05 33.4,13.2 U22.5@33.6,13.2 ; L12.1@34.45,10.9 L12.1@34.65,10.7
  L1 w0.4: C99.1@33.2,10.9 C98.2@33.2,11.9
  L1 w0.5: C99.1@33.2,10.9 L12.1@34.55,10.9
LT_DN2_2: C104.2 C113.2 C114.2 L11.1 L12.2 R108.2 | length 9.1
  L1 w0.4: L12.2@36.95,10.7 36.95,10.04 37.39,9.6 38.2,9.6 38.55,9.25 C113.2@38.6,9.2 ; C114.2@39.4,11.1 39.4,12.1 39.55,12.25 40.55,12.25 40.6,12.3 41.66,12.3 42.1,12.74 L11.1@42.1,13.3
  L1 w0.5: L12.2@37.25,10.9 C114.2@39.2,10.9
LT_FBN_2: C104.1 R108.1 U22.7 | length 4.2
  L1 w0.25: U22.7@36.65,13.7 36.875,13.7 36.975,13.8 38.049,13.8 38.074,13.825 39.011,13.825 39.5,13.336 R108.1@39.5,13.3
  L1 w0.4: R108.1@39.5,13.3 C104.1@40.6,13.3
LT_FBP_2: R110.1 U22.9 | length 1
  L1 w0.25: U22.9@36.6,14.7 U22.9@36.65,14.7 R110.1@37.6,14.7
LT_SWN_2: C98.1 C99.2 L9.2 U22.4 | length 6.5
  L1 w0.25: L9.2@29.7,10.45 L9.2@30.558,10.45 ; C98.1@32.2,11.9 32.2,11.936 32.323,12.06 32.36,12.06 32.844,12.544 32.844,13.554 32.99,13.7 33.288,13.7 U22.4@33.6,13.7
  L1 w0.4: L9.2@30.558,10.35 31.108,10.9 32.2,10.9 C98.1@32.2,11.9
LT_SWP_2: L8.2 U22.2 | length 5.3
  L1 w0.25: L8.2@29.7,16.95 30.45,16.95 31.6,15.8 32.76,15.8 32.907,15.654 32.907,14.893 33.1,14.7 33.288,14.7 U22.2@33.6,14.7
LT_VPOS_2: C108.2 C109.2 C110.2 L13.1 R111.2 U22.10 | length 12.8
  L1 w0.25: U22.10@36.65,15.2 37,15.2 R111.2@37.6,15.8
  L1 w0.4: C108.2@36,17.9 36.5,17.4 36.5,16.6 ; U22.10@36.65,15.2 36.65,16.45 36.6,16.5 36.5,16.6 ; C110.2@37.67,17.13 37.139,16.6 36.65,16.6 36.5,16.6
  L1 w0.6: C109.2@36.1,16.6 36.2,16.5 36.6,16.5 ; C110.2@37.4,17.4 37.4,17.6 38.6,18.8 41.2,18.8 41.715,18.285 41.715,17.235 L13.1@42.05,16.9
LVL_SWD_CLK: R48.1 R121.2 U27.3 | length 7.6
  L1 w0.25: v1(67.7,9.1) 67.767,9.033 68.067,9.033 R48.1@68.2,8.9 ; v1(70.475,10.907) 71.193,10.907 71.5,10.6 72.475,10.6 72.575,10.7 U27.3@72.75,10.7
  L1 w0.4: R121.2@67.15,8.9 R48.1@68.15,8.9
  L3 w0.25: v1(67.7,9.1) 67.743,9.057 68.625,9.057 v1(70.475,10.907)
LVL_SWD_IO: R50.1 R122.2 U27.9 | length 12.1
  L1 w0.25: v1(67.7,7.9) R50.1@68.15,7.9 ; U27.9@75.85,11.2 76.405,11.2 76.505,11.3 v1(76.6,11.3)
  L1 w0.4: R122.2@67.15,7.9 v1(67.7,7.9)
  L3 w0.25: v1(67.7,7.9) 73,7.9 76.333,11.233 76.533,11.233 v1(76.6,11.3)
LVL_UARX: R46.1 R120.2 U24.9 | length 15
  L1 w0.25: v1(67.7,9.9) R46.1@68.1,9.9 ; U24.9@75.8,15 76.127,15 76.234,15.106 76.707,15.106 77.483,14.33 77.483,13.933 v1(77.541,13.875)
  L1 w0.4: R120.2@67.15,9.9 v1(67.7,9.9)
  L3 w0.25: v1(67.7,9.9) 68.5,9.9 70.1,11.5 71.1,11.5 72,12.4 73,12.4 74,13.4 76.9,13.4 77.375,13.875 v1@77.541,13.875
LVL_UATX: R44.1 R119.2 U24.3 | length 8.1
  L1 w0.25: v1(67.7,10.9) R44.1@68.15,10.9 R44.1@68.2,10.9 ; v1(71.476,14.335) 71.559,14.418 72.459,14.418 72.466,14.425 72.466,14.441 72.525,14.5 U24.3@72.75,14.5 U24.3@72.8,14.5
  L1 w0.4: R119.2@67.15,10.9 v1(67.7,10.9)
  L3 w0.25: v1(67.7,10.9) 68.6,10.9 69.9,12.2 69.9,12.9 71.233,14.233 71.279,14.233 71.381,14.335 v1(71.476,14.335)
MEM_SCL: P9.19 R87.1 U17.6 | length 31.7
  L1 w0.25: U17.6@32.775,22.55 32.997,22.55 33.283,22.264 33.283,22.067 v1(33.35,22) ; P9.19@43.18,1.905 44.305,3.03 44.305,5.56 44.3,5.565 R87.1@44.3,7
  L4 w0.25: v1(33.35,22) 34.6,20.75 34.6,18.7 44.4,8.9 44.4,3.125 P9.19@43.18,1.905
MEM_SDO: P9.20 R88.1 U17.5 | length 25.4
  L1 w0.25: U17.5@32.55,22.05 32.775,22.05 32.775,21.644 32.972,21.447 v1(32.972,21.352) ; P9.20@43.18,4.445 43.2,4.465 R88.1@43.2,7
  L4 w0.25: v1(32.972,21.352) 33.012,21.313 33.387,21.313 34.2,20.5 34.2,18.513 43.7,9.013 43.7,4.965 P9.20@43.18,4.445